# Altium PCB PCB1.PcbDoc
Units mil, origin at the board's own origin, x right, y up, seen from the top; angles counter-clockwise.
Board outline 2007.87 x 3234.45 mil, 2 copper layers (Top Layer, Bottom Layer); 74 components, 72 nets, 331 pads, 86 vias.
Unrouted connection lines stored in the file: 13.
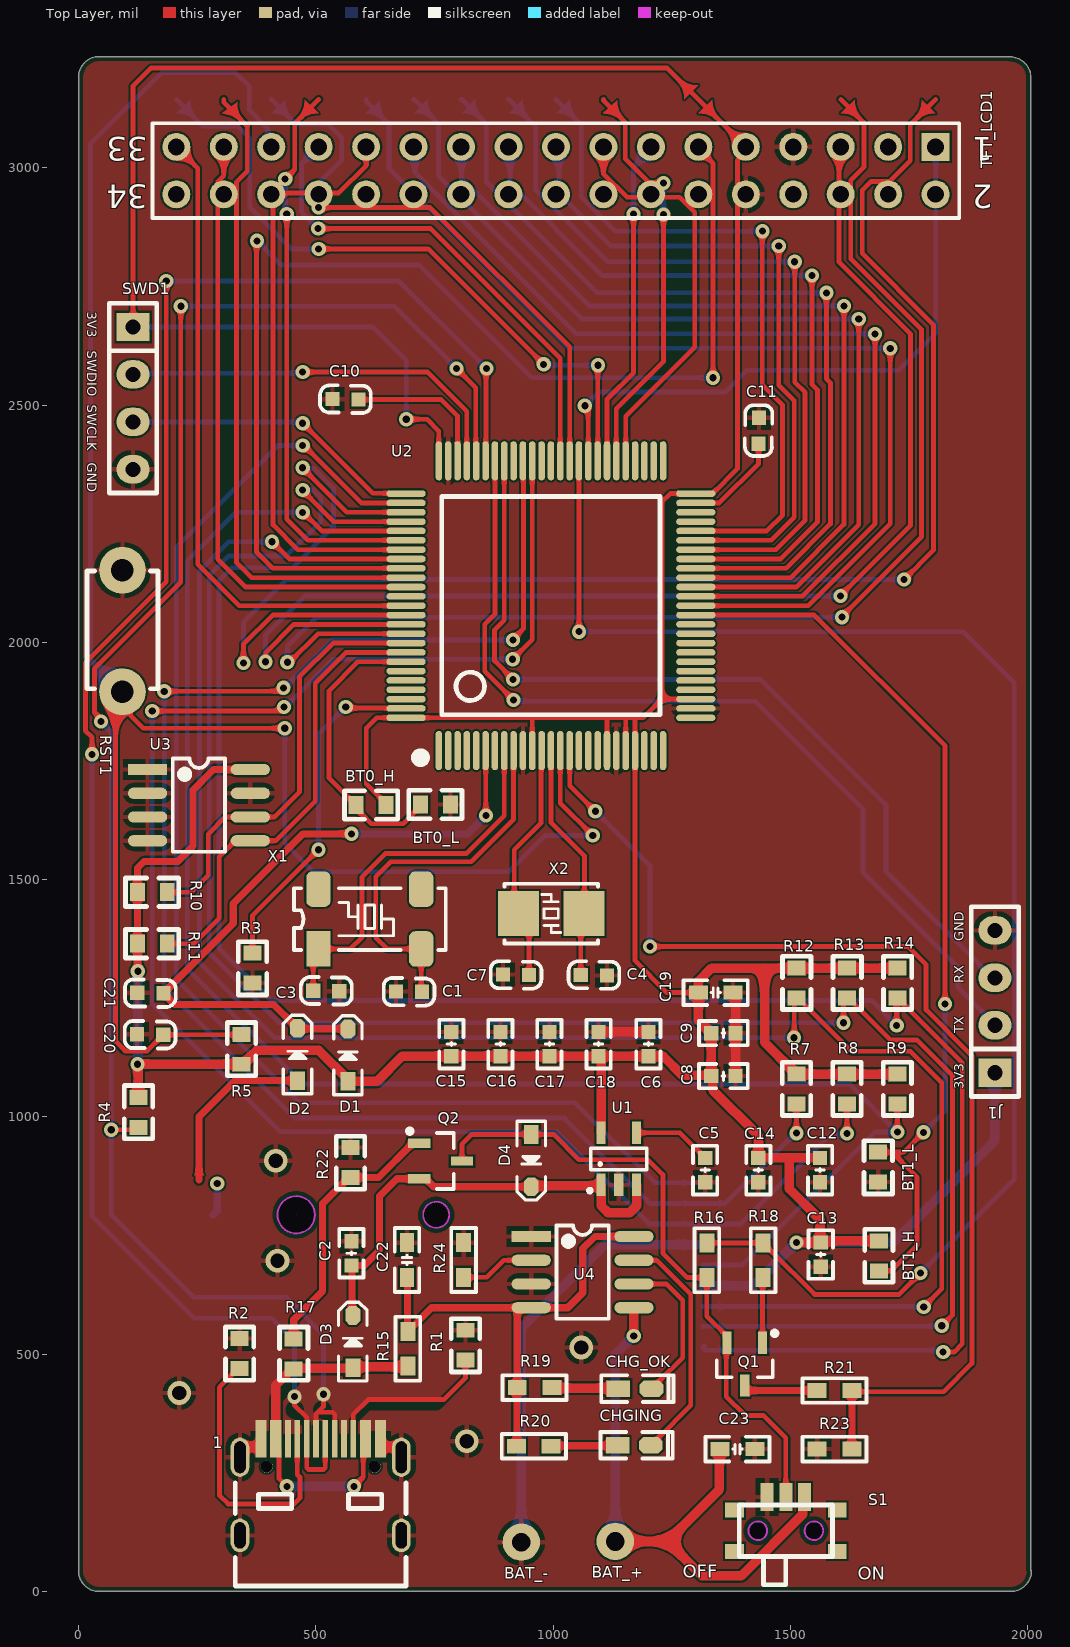
[diagram p0: Top Layer view]
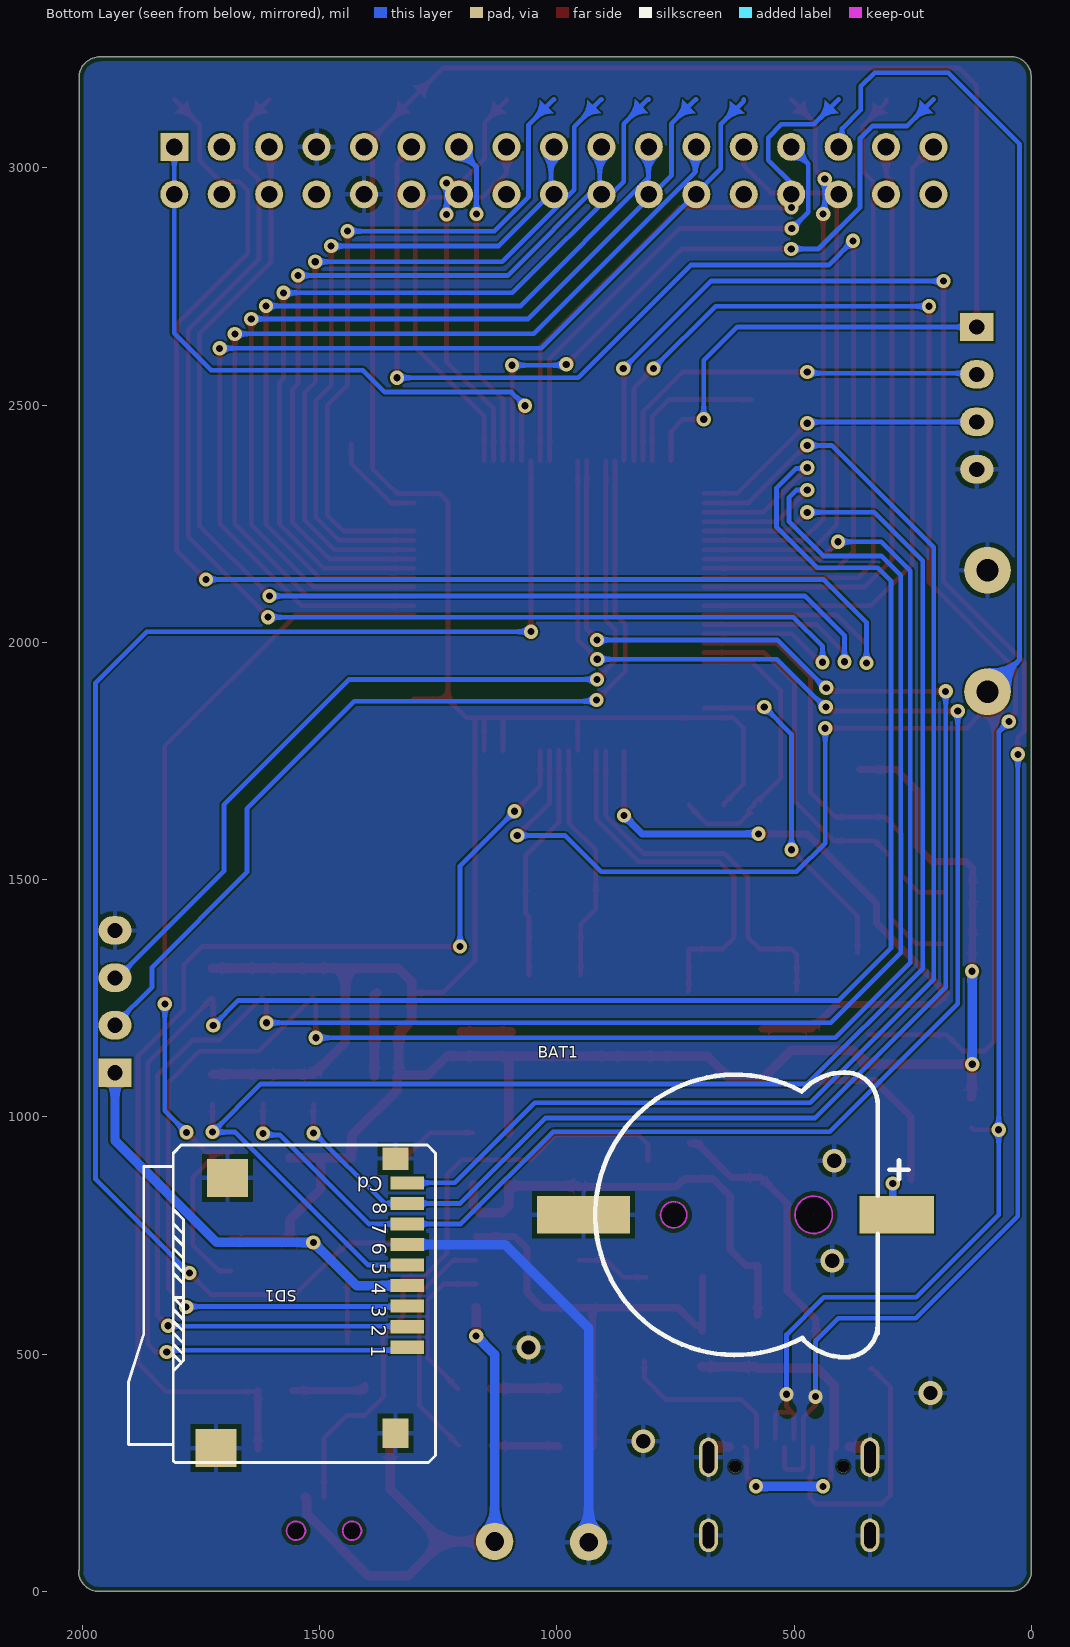
[diagram p1: Bottom Layer view, seen from below]
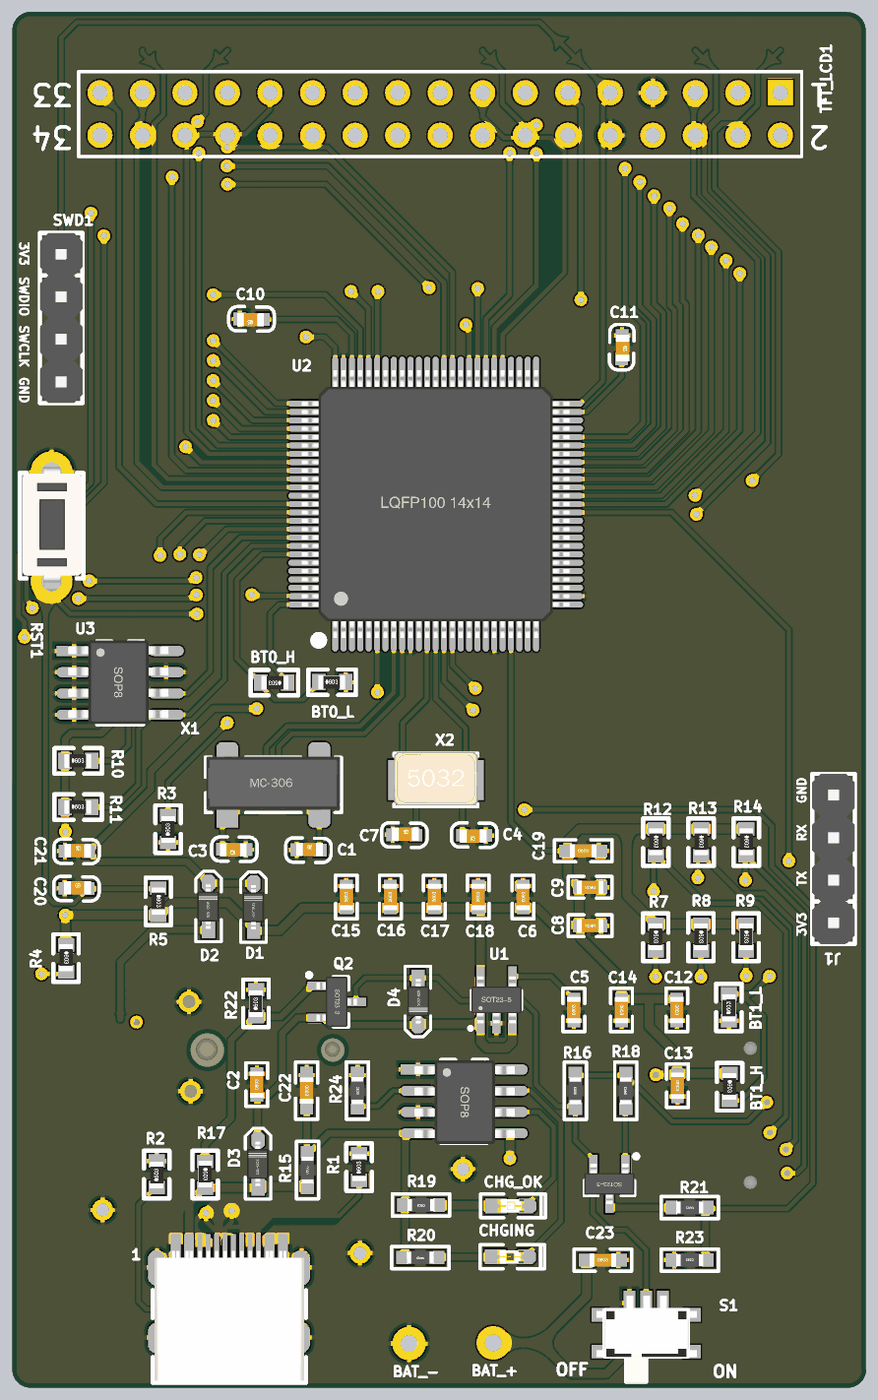
[diagram p2: 3D render of the assembled board from above, using the file's embedded part models]

## Layer stack, top to bottom
Top Solder: solder mask 0.4, Solder Resist, Dk 3.5
Top Layer: signal copper 1.4
Dielectric 1: dielectric 12.6, FR-4, Dk 4.8
Bottom Layer: signal copper 1.4
Bottom Solder: solder mask 0.4, Solder Resist, Dk 3.5

## Board outline
0.2,43.51 0.2,3190.94 cw(c43.71,3190.94) 43.5,3234.45 1962.4,3234.45 1963.19,3233.66 cw(c1963.19,3190.16) 2006.69,3190.36 2006.69,44.68 2007.87,43.5 cw(c1964.37,43.5) 1964.57,0 43.51,0 43.5,0 cw(c43.5,43.51)

## Design rules (kind name [scope] priority, off if disabled: settings)
BoardOutlineClearance [All] p1: gap=10 ignorepadtopadclearanceinfootprint=FALSE except(0: Arc-SplitContinuation Track-SplitContinuation SMDPad-SplitContinuation THPad-SplitContinuation Via-SplitContinuation Fill-SplitContinuation Poly-SplitContinuation Region-SplitContinuation Text-SplitContinuation)
Clearance [All] p1: gap=3.94 ignorepadtopadclearanceinfootprint=FALSE
MinimumSolderMaskSliver [All] p1: minsoldermaskwidth=5.91
PolygonConnect [All] p1: connectstyle=Relief reliefconductorwidth=10 reliefentries=4 polygonreliefangle="90 Angle" airgapwidth=10
RoutingCorners [All] p1: cornerstyle=45-Degree minsetback=59.06 maxsetback=59.06
RoutingVias [All] p1: holewidth=8 width=10 viastyle="Through Hole" minholewidth=5 minwidth=9 maxholewidth=10 maxwidth=50
ShortCircuit [All] p1: allowed=TRUE
SilkToSilkClearance [All] p1: silktosilkclearance=0.5
SilkToSolderMaskClearance [IsPad] p1: minsilkscreentomaskgap=1 clearancetoexposedcopper=TRUE
SolderMaskExpansion [All] p1: expansion=4 istentingtop=FALSE
Width [All] p1: maxlimit=78.74 minlimit=7.87 preferedwidth=19.68
25 further rules are at their usual default settings.

## Components (designator, comment, footprint, x,y, rotation, side; value= is the part's Value field where it differs from the comment)
1 "MC-311D" USB-C-12P 510.24,211.61 r0 top
BAT1 "CR1220" CR1220-A 283.75,793.75 r180 bottom
BAT_+ "过孔焊盘" 通孔焊盘 1131,105.5 r0 top
BAT_- "过孔焊盘" 通孔焊盘 933,104 r0 top
BT0_H "RES" 0603R 647.5,1657.5 r180 top (schematic designator BT2)
BT0_L "RES" 0603R 721,1658.5 r0 top (schematic designator BT1)
BT1_H "RES" 0603R 1686.5,738.5 r270 top (schematic designator BT3)
BT1_L "RES" 0603R 1685,862.82 r90 top (schematic designator BT4)
C1 "CAP" 0603C 668.79,1264.85 r0 top
C2 "104" "C 0603_L" 575,712.59 r90 top
C3 "CAP" 0603C 549.71,1264.65 r180 top
C4 "CAP" 0603C 1113.71,1297.65 r180 top
C5 "104" "C 0603_L" 1320.5,888.01 r90 top
C6 "104" "C 0603_L" 1201,1153.5 r270 top
C7 "CAP" 0603C 894.29,1300.36 r0 top
C8 "104" "C 0603_L" 1358.82,1086 r180 top
C9 "104" "C 0603_L" 1358.82,1176.5 r180 top
C10 "CAP" 0603C 590.21,2511.15 r180 top
C11 "CAP" 0603C 1434.35,2473.71 r270 top
C12 "104" "C 0603_L" 1562.5,888 r270 top
C13 "104" "C 0603_L" 1564,710 r270 top
C14 "104" "C 0603_L" 1432.5,888 r270 top
C15 "104" "C 0603_L" 785.59,1153.51 r90 top
C16 "104" "C 0603_L" 888.96,1153.51 r90 top
C17 "104" "C 0603_L" 992.34,1153.51 r90 top
C18 "104" "C 0603_L" 1095.71,1153.51 r90 top
C19 "104" "C 0603_M" 1342.5,1262 r0 top
C20 "CAP" 0603C 123.29,1174.35 r0 top
C21 "CAP" 0603C 123.79,1261.85 r0 top
C22 "104" "C 0603_M" 692.17,698.5 r270 top
C23 "104" "C 0603_M" 1388.5,300 r0 top
CHG_OK "红色" "LED 0603W" 1172.5,427.24 r0 top (schematic designator Charge_OK)
CHGING "红色" "LED 0603G" 1171,307.74 r0 top (schematic designator Charging)
D1 "DIODE" SOD-323 567.5,1130 r90 top
D2 "DIODE" SOD-323 461.5,1131.5 r90 top
D3 "B5919WS" SOD-323 578,526.62 r90 top
D4 "B5919WS" SOD-323 954,908 r270 top
J1 "Pin HDR1X4" "Pin HDR1X4/2.54mm-S" 1931,1093 r180 top
Q1 "SI2301" SOT23-3N 1404,479 r180 top
Q2 "AO3401" SOT23-3N 763,907 r270 top
R1 "RES" 0603R 815.5,487.51 r90 top
R2 "RES" 0603R 339.5,470.12 r90 top
R3 "RES" 0603R 366.5,1282.01 r90 top
R4 "RES" 0603R 126.5,1040.99 r270 top
R5 "RES" 0603R 343.5,1173.99 r270 top
R7 "RES" 0603R 1512.8,1089.99 r270 top
R8 "RES" 0603R 1619.15,1089.99 r270 top
R9 "RES" 0603R 1725.5,1089.99 r270 top
R10 "RES" 0603R 124.01,1473.5 r0 top
R11 "RES" 0603R 124.01,1365 r0 top
R12 "RES" 0603R 1513.3,1313.49 r270 top
R13 "RES" 0603R 1619.65,1313.49 r270 top
R14 "RES" 0603R 1726,1313.49 r270 top
R15 "1K" "R 0603_M" 694.17,511.62 r90 top
R16 "1K" "R 0603_M" 1324,698 r90 top
R17 "RES" 0603R 453.5,532.12 r270 top
R18 "1K" "R 0603_M" 1442.5,698 r90 top
R19 "1K" "R 0603_M" 961,429.5 r180 top
R20 "1K" "R 0603_M" 959.5,306 r180 top
R21 "1K" "R 0603_M" 1593,423.5 r180 top
R22 "RES" 0603R 573,872.5 r90 top
R23 "1K" "R 0603_M" 1593,300 r0 top
R24 "1K" "R 0603_M" 811.5,698.5 r270 top
RST1 "KEY" DIP-3X6X5 92.5,1896 r270 top
S1 "MSK-12C01-07" MK-12C02 1490.5,128 r0 top
SD1 "MicroSD" "Micro SD" 1718,912.24 r270 bottom
SWD1 "Pin HDR1X4" "Pin HDR1X4/2.54mm-S" 115,2664.5 r0 top
TFT_LCD1 "Header 17X2" HDR2X17 1806.1,3044.09 r180 top locked
U1 "RT9193" SOT23-5N 1138.5,911.76 r0 top
U2 "STM32F407V" "LQFP100 14x14_M" 995.5,2077 r0 top
U3 "AT24C02" SOP8 145.46,1732 r0 top
U4 "TP4056" SOP8 954,748 r0 top
X1 "XTAL-MC-4P" "OSC MC-306" 613.8,1416.9 r0 top
X2 "XTAL-2P" "OSC 5032-2P" 996,1428.5 r0 top

## Footprints (in the part's own frame and the unit in brackets; to place one, negate y for a bottom-side part, rotate by r counter-clockwise, add the part's x,y. Pads: shape width x height; smd on the part's side, far side on the other; paste and mask are expansions set on the pad)
0603C [mil]
  rect 30x30 smd: 1(0.21,-0.35) 2(55.21,-1.35)
  silkscreen extent -26,-30 81,28, body extent -1,-15 62,17, height 12
0603R [mm]
  rect 0.8x0.965 smd: 1(0,0) 2(1.6,0)
  silkscreen extent -0.64,-0.76 2.21,0.76, body extent -0.04,-0.41 1.56,0.41, height 0.45
"C 0603_L" [mil] "无极性贴片电容"
  rect 30x30 smd: 1(-25.59,0) 2(25.59,0)
  silkscreen extent -51,-26 51,26, body extent -31,-16 31,16, height 32
"C 0603_M" [mil] "无极性贴片电容"
  rect 40x30 smd: 1(-36.5,0) 2(36.5,0)
  silkscreen extent -68,-26 68,26, body extent -31,-16 31,16, height 32
CR1220-A [mm]
  rect 4x2 smd: 1(0,0)
  rect 5x2 smd: 2(-16.764,0)
  Keep-Out Layer board cut-out: -11.938,-0.7 -12.206,-0.647 -12.433,-0.495 -12.585,-0.268 -12.638,0 -12.638,0 -12.585,0.268 -12.433,0.495 -12.206,0.647 -11.938,0.7 -11.938,0.7 -11.67,0.647 -11.443,0.495 -11.291,0.268 -11.238,0 -11.238,0 -11.291,-0.268 -11.443,-0.495 -11.67,-0.647 -11.938,-0.7
  Keep-Out Layer board cut-out: -4.445,-1 -4.828,-0.924 -5.152,-0.707 -5.369,-0.383 -5.445,0 -5.445,0 -5.369,0.383 -5.152,0.707 -4.828,0.924 -4.445,1 -4.445,1 -4.062,0.924 -3.738,0.707 -3.521,0.383 -3.445,0 -3.445,0 -3.521,-0.383 -3.738,-0.707 -4.062,-0.924 -4.445,-1
  Keep-Out Layer circle w0.1: c-11.938,0 r0.7
  Keep-Out Layer circle w0.1: c-4.445,0 r1
  Keep-Out Layer region: -4.445,0
  silkscreen extent -16.13,-7.62 0.64,7.62, body extent -17.73,-7.41 2.03,7.49, height 4.05
DIP-3X6X5 [mm]
  round 2.5 hole 1.2: 1(0,0) 3(-6.5,0)
  silkscreen extent -6.46,-1.9 -0.16,1.9, body extent -7.29,-1.72 0.54,1.78, height 5.01
HDR2X17 [mm] "Connector; Header; 17x2 Position"
  rect 1.5x1.5 hole 0.9: 1(0,0)
  round 1.5 hole 0.9: 2(0,2.54) 3(2.54,0) 4(2.54,2.54) 5(5.08,0) 6(5.08,2.54) 7(7.62,0) 8(7.62,2.54) 9(10.16,0) 10(10.16,2.54) 11(12.7,0) 12(12.7,2.54) 13(15.24,0) 14(15.24,2.54) 15(17.78,0) 16(17.78,2.54) 17(20.32,0) 18(20.32,2.54) 19(22.86,0) 20(22.86,2.54) 21(25.4,0) 22(25.4,2.54) 23(27.94,0) 24(27.94,2.54) 25(30.48,0) 26(30.48,2.54) 27(33.02,0) 28(33.02,2.54) 29(35.56,0) 30(35.56,2.54) 31(38.1,0) 32(38.1,2.54) 33(40.64,0) 34(40.64,2.54)
  silkscreen extent -1.27,-1.27 41.91,3.81
"LED 0603G" [mil] "绿色0603LED"
  rect 50x35 smd: 1(-35,0.26)
  oct 50x35 smd: 2(35,0.26)
  silkscreen extent -71,-28 81,28, body extent -31,-16 32,16, height 24
"LED 0603W" [mil] "白色0603LED"
  rect 50x35 smd: 1(-35,0.26)
  oct 50x35 smd: 2(35,0.26)
  silkscreen extent -71,-28 81,28, body extent -31,-16 32,16, height 24
"LQFP100 14x14_M" [mm] "100脚，体宽14x14mm，脚距0.5mm"
  oval 0.35x2.1 smd: 1(-6,-7.747) 2(-5.5,-7.747) 3(-5,-7.747) 4(-4.5,-7.747) 5(-4,-7.747) 6(-3.5,-7.747) 7(-3,-7.747) 8(-2.5,-7.747) 9(-2,-7.747) 10(-1.5,-7.747) 11(-1,-7.747) 12(-0.5,-7.747) 13(0,-7.747) 14(0.5,-7.747) 15(1,-7.747) 16(1.5,-7.747) 17(2,-7.747) 18(2.5,-7.747) 19(3,-7.747) 20(3.5,-7.747) 21(4,-7.747) 22(4.5,-7.747) 23(5,-7.747) 24(5.5,-7.747) 25(6,-7.747) 51(6,7.758) 52(5.5,7.758) 53(5,7.758) 54(4.5,7.758) 55(4,7.758) 56(3.5,7.758) 57(3,7.758) 58(2.5,7.758) 59(2,7.758) 60(1.5,7.758) 61(1,7.758) 62(0.5,7.758) 63(0,7.758) 64(-0.5,7.758) 65(-1,7.758) 66(-1.5,7.758) 67(-2,7.758) 68(-2.5,7.758) 69(-3,7.758) 70(-3.5,7.758) 71(-4,7.758) 72(-4.5,7.758) 73(-5,7.758) 74(-5.5,7.758) 75(-6,7.758)
  oval 2.1x0.35 smd: 26(7.752,-5.994) 27(7.752,-5.494) 28(7.752,-4.994) 29(7.752,-4.494) 30(7.752,-3.994) 31(7.752,-3.494) 32(7.752,-2.994) 33(7.752,-2.494) 34(7.752,-1.994) 35(7.752,-1.494) 36(7.752,-0.994) 37(7.752,-0.494) 38(7.752,0.006) 39(7.752,0.506) 40(7.752,1.006) 41(7.752,1.506) 42(7.752,2.006) 43(7.752,2.506) 44(7.752,3.006) 45(7.752,3.506) 46(7.752,4.006) 47(7.752,4.506) 48(7.752,5.006) 49(7.752,5.506) 50(7.752,6.006) 76(-7.752,6.006) 77(-7.752,5.506) 78(-7.752,5.006) 79(-7.752,4.506) 80(-7.752,4.006) 81(-7.752,3.506) 82(-7.752,3.006) 83(-7.752,2.506) 84(-7.752,2.006) 85(-7.752,1.506) 86(-7.752,1.006) 87(-7.752,0.506) 88(-7.752,0.006) 89(-7.752,-0.494) 90(-7.752,-0.994) 91(-7.752,-1.494) 92(-7.752,-1.994) 93(-7.752,-2.494) 94(-7.752,-2.994) 95(-7.752,-3.494) 96(-7.752,-3.994) 97(-7.752,-4.494) 98(-7.752,-4.994) 99(-7.752,-5.494) 100(-7.752,-5.994)
  silkscreen extent -7.23,-8.38 5.84,5.85, body extent -8,-8 8,8.01, height 1.45
"Micro SD" [mm]
  rect 1.2x1.4 smd: 0(0,9.6)
  rect 2.032x2.2 smd: 0(1.029,0.61) 0(15.5,0)
  rect 1.6x1.4 smd: 0(14.7,9.6)
  rect 0.7x1.8 smd: 1(10.1,10.227) 2(9,10.227) 3(7.9,10.227) 4(6.8,10.227) 5(5.7,10.227) 6(4.6,10.227) 7(3.5,10.227) 8(2.4,10.227) 9(1.3,10.227)
  silkscreen extent -0.72,-4.68 16.27,11.75, body extent -0.27,-4.63 16,10.57, height 1.8
MK-12C02 [mm] "七脚小拨动开关"
  rect 1x0.8 smd: 0(-2.75,-1.1) 0(-2.75,1.1) 0(2.75,-1.1) 0(2.75,1.1)
  rect 0.7x1.5 smd: 1(1,1.8) 2(0,1.8) 3(-1,1.8)
  Keep-Out Layer board cut-out: -1.5,-0.5 -1.599,-0.5 -1.783,-0.424 -1.924,-0.283 -2,-0.099 -2,0 -2,0.099 -1.924,0.283 -1.783,0.424 -1.599,0.5 -1.5,0.5 -1.401,0.5 -1.217,0.424 -1.076,0.283 -1,0.099 -1,0 -1,-0.099 -1.076,-0.283 -1.217,-0.424 -1.401,-0.5 -1.5,-0.5
  Keep-Out Layer board cut-out: 1,0 1,-0.099 1.076,-0.283 1.217,-0.424 1.401,-0.5 1.5,-0.5 1.599,-0.5 1.783,-0.424 1.924,-0.283 2,-0.099 2,0 2,0.099 1.924,0.283 1.783,0.424 1.599,0.5 1.5,0.5 1.401,0.5 1.217,0.424 1.076,0.283 1,0.099 1,0
  Keep-Out Layer circle w0.1: c-1.5,0 r0.5
  Keep-Out Layer circle w0.1: c1.5,0 r0.5
  silkscreen extent -2.5,-2.9 2.5,1.38, body extent -2.97,-2.96 3.03,2.24, height 1.4
"OSC 5032-2P" [mm]
  rect 2.2x2.4 smd: 1(-1.75,0) 2(1.75,0)
  silkscreen extent -2.5,-1.6 2.5,1.6, body extent -2.5,-1.52 2.5,1.68, height 0.86
"OSC MC-306" [mm]
  rect 1.3x1.9 smd: 1(-2.75,-1.6)
  rrect50% 1.3x1.9 smd: 2(2.75,-1.6) 3(2.75,1.6) 4(-2.75,1.6)
  silkscreen extent -4.06,-1.65 4.06,1.65, body extent -4,-1.52 4,1.74, height 2.56
"Pin HDR1X4/2.54mm-S" [mil]
  rect 70x60 hole 32: 1(0,0)
  oval 70x60 hole 32: 2(0,-100) 3(0,-200) 4(0,-300)
  silkscreen extent -50,-350 50,50, body extent -50,-350 50,50, height 336
"R 0603_M" [mil] "1/10W贴片电阻"
  rect 40x31.5 smd: 1(-36.5,0) 2(36.5,0)
  silkscreen extent -68,-26 68,26, body extent -31,-16 32,16, height 16
SOD-323 [mm] "1.8x1.3X0.9mm（长宽高，不包括引脚）"
  rect 1x0.8 smd: 1(-1.4,0)
  oct 1x0.8 smd: 2(1.4,0)
  silkscreen extent -2.11,-0.76 2.11,0.76, body extent -1.34,-0.63 1.31,0.67, height 1
SOP8 [mm]
  rect 2.1x0.6 smd: 1(0,0)
  oval 2.1x0.6 smd: 2(0,-1.27) 3(0,-2.54) 4(0,-3.81) 5(5.5,-3.81) 6(5.5,-2.54) 7(5.5,-1.27) 8(5.5,0)
  silkscreen extent 1.35,-4.41 4.15,0.6, body extent -0.36,-4.37 5.64,0.63, height 1.9
SOT23-3N [mm] "3x1.3x1mm(长宽高)"
  rect 0.5x1.2 smd: 1(-0.95,-1.143) 2(0.95,-1.143) 3(0,1.143)
  silkscreen extent -1.73,-1.78 1.5,0.7, body extent -1.5,-1.2 1.5,1.2, height 1.05
SOT23-5N [mm] "3x1.6x1.1mm(长宽高)"
  rect 0.5x1.2 smd: 1(-0.95,-1.4) 2(0,-1.4) 3(0.95,-1.4) 4(0.95,1.4) 5(-0.95,1.4)
  silkscreen extent -1.63,-1.78 1.5,0.56, body extent -1.5,-1.4 1.5,1.4, height 1.15
USB-C-12P [mm]
  oval 1x2.1 hole 0.6 slot 1.7 at 90 deg: 1(-4.32,1.807) 4(4.32,1.807)
  oval 1x1.8 hole 0.6 slot 1.4 at 90 deg: 2(-4.32,-2.373) 3(4.32,-2.373)
  rect 0.6x2 smd: A1-B12(-3.2,2.794) A4-B9(-2.4,2.794) B1-A12(3.2,2.794) B4-A9(2.4,2.794)
  rect 0.3x2 smd: A5(-1.25,2.794) A6(-0.25,2.794) A7(0.25,2.794) A8(1.25,2.794) B5(1.75,2.794) B6(0.75,2.794) B7(-0.75,2.794) B8(-1.75,2.794)
  round 0.65 hole 0.65 unplated: ""(-2.89,1.307) ""(2.89,1.307)
  silkscreen extent -4.57,-5.08 4.57,0.44, body extent -4.47,-4.95 4.47,2.8, height 3.31
通孔焊盘 [mm]
  round 2 hole 1: Hole(0,0)

## Part data
1: library part USB-C-12P, BOM_JLCPCB Part Class="Extended Part", BOM_Manufacturer=SOFNG, BOM_Manufacturer Part=MC-311D, BOM_Supplier=LCSC, BOM_Supplier Part=C136423, Contributor=LCSC, spicePre=U, spiceSymbolName=MC-311D
C1 C3 C4 C7 C10 C11 C20 C21: "无极性电容"
C2 C5 C6 C8 C9 C12 C13 C14 C15 C16 C17 C18 C19 C22 C23: library part C, "无极性贴片电容", BOM名称=无极性贴片电容, 版权归属=源创客, 学习资源=www.ooocke.com
CHG_OK CHGING: library part LED-SMD, "贴片LED", BOM名称=贴片LED, 版权归属=源创客, 学习资源=www.ooocke.com
D1 D2: "普通二极管"
D3 D4: library part 1N5819, "肖特基二极管", BOM名称=肖特基二极管, 版权归属=源创客, 属性=40V/2A, 学习资源=www.ooocke.com
Q1: "P沟道 20V/2.8A", BOM名称=场效应管, 版权归属=源创客, 描述="P沟道 20V/2.8A", 学习资源=www.ooocke.com
Q2: "P沟道 30V/4.2A", BOM名称=场效应管, 版权归属=源创客, 描述="P沟道 30V/4.2A", 学习资源=www.ooocke.com
R15 R16 R18 R19 R20 R21 R23 R24: library part R, "贴片电阻", BOM名称=贴片电阻, 版权归属=源创客, 学习资源=www.ooocke.com
TFT_LCD1: "Header, 17-Pin, Dual row", LatestRevisionDate=17-Jul-2002, LatestRevisionNote="Re-released for DXP Platform.", Publisher="Altium Limited"
U1: "低压差LDO"
U2: "STM32单片机100引脚"
X1: "MC系列4脚晶振"
X2: "2脚无源脚晶振"

## Via types
v1: diameter 30, hole 15, Top Layer to Bottom Layer, 81 vias
v2: diameter 50, hole 30, Top Layer to Bottom Layer, 5 vias

## Nets (pads, with @x,y where several pads share a name; then routed paths per layer and width w, separated by ;. In a path a pad name is that pad's centre, name@x,y a point inside that pad or via, vN(x,y) a via of type N, cw(c..) or ccw(c..) an arc to the next point about the centre after c; other vN are vias at no path point)
3V3: BT0_H.1 BT1_H.1 C6.2 C8.2 C9.2 C12.1 C13.1 C14.1 C15.1 C16.1 C17.1 C18.1 C19.1 D1.1 J1.1 R4.1 R5.2 R7.1 R8.1 R9.1 R10.1 R11.1 R12.1 R13.1 R14.1 SD1.4 SWD1.1 TFT_LCD1.9 TFT_LCD1.12 U1.5 U2.11 U2.19 U2.21 U2.22 U2.28 U2.50 U2.75 U2.100 U3.8 | length 10862
  Top Layer w10: SWD1.1 115,3172.67 152.33,3210 1240.2,3210 1306.1,3144.09 TFT_LCD1.9 1406.1,3033.09 1388.5,3015.48 1388.5,2366 1335.94,2313.44 1246.94,2313.44 1229.37,2295.87 1229.37,1880.37 ; BT0_H.1 647.5,1660.75 606.5,1701.75 606.5,1819.5 628,1841 U2.100 956,1841 ; v1(690.5,2470) 734.5,2470 759.28,2445.22 U2.75 ; U2.11 956.13,1840.87 956,1841 ; U2.19 1113.61,1840.61 1114,1841 ; U2.21 1152.98,1840.02 1152,1841 ; U2.28 1229.37,1880.37 ; C19.1 1240,1262 1172.67,1329.33 U2.22 1172.67,1840.83 1172.5,1841 ; 956,1841 1114,1841 ; 1114,1841 1152,1841 ; 1152,1841 1172.5,1841 ; 1172.5,1841 1190,1841 1229.37,1880.37
  Top Layer w15: v1(125,1307) 124.5,1307.5 124.5,1364.5 R11.1 R10.1 124.01,1524.51 138,1538.5 209,1538.5 241,1570.5 241,1688.5 284.5,1732 U3.8
  Top Layer w20: R4.1 125.5,1041.99 125.5,1110 v1(124.5,1111) R5.2 346.75,1111 375.75,1140 506.32,1140 567.5,1078.82 D1.1 628.95,1074.88 681.98,1127.91 C15.1 C16.1 C17.1 C18.1 ; U1.5 1101.1,1122.53 C18.1 ; R7.1@1503.8,1098.99 1445.5,1157.29 1445.5,1313.49 ; R7.1 R8.1 R9.1 ; v1(1513.09,735.59) C13.1 ; C13.1@1562.5,739 1686,739 BT1_H.1 ; C13.1@1562.5,741 1562.5,783.6 1497.5,848.6 1497.5,913.59 ; C12.1 1497.5,913.59 ; R14.1 R13.1 R12.1 1445.5,1313.49 ; J1.1@1927.99,1089.99 J1.1 ; C18.1 C6.2 1232.09,1127.91 1272,1088 C8.2@1331.23,1088 ; C8.2@1331.23,1088 1333.23,1090 C9.2 1306,1203.73 C19.1 1306,1285.5 1333.99,1313.49 1445.5,1313.49 ; C8.2@1331.23,1088 C8.2 1335.93,1083.3 1335.93,1057.07 1432.5,960.5 C14.1 1497.5,913.59
  Bottom Layer w10: SWD1.1@121.5,2658 SWD1.1 620,2664.5 690.5,2594 v1(690.5,2470)
  Bottom Layer w20: v1(124.5,1111) 125,1111.5 v1(125,1307) ; SD1.4 1422.02,644.52 v1(1513.09,735.59) 1716.59,735.59 1931,950 J1.1
BAT_ADC: R21.1 R23.2 U2.15 | length 2363.5
  Top Layer w10: U2.15 1034.87,1698.13 v1(1089,1644) ; v1(1204,1359) 1748,1359 1786,1321 1786,1225.5 1882.5,1129 1882.5,480.5 1823,421 1632,421 R21.1
  Top Layer w15: R23.2 R21.1
  Bottom Layer w10: v1(1089,1644) 1204,1529 v1(1204,1359)
BAT_ADC_EN: R16.2 R18.2 U2.60 | length 3164
  Top Layer w10: v1@1054.5,2022.5 v1(1054.56,2022.56) U2.60 ; R16.2 R18.2 1442.5,730.25 1453.25,719.5 1457.5,719.5 1551,626 1729,626 v1(1774,671)
  Bottom Layer w10: v1(1054.56,2022.56) 1864.44,2022.56 1972,1915 1972,869 v1(1774,671)
BAT_Check: D4.1 Q1.2 Q2.3 R16.1 S1.2 | length 1337.4
  Top Layer w10: Q2.3 808,942 829.12,963.12 D4.1 1000.88,963.12 1054,910 1200,910 1231.5,878.5 1231.5,712.5 1282.5,661.5 R16.1 1324,580.38 1366.6,537.78 Q1.2 1365,522.4 1365,410.5 1404.5,371 1443,371 1490.5,323.5 S1.2
BOOT0: BT0_H.2 BT0_L.1 U2.94 | length 629.2
  Top Layer w10: U2.94 588.86,1959.11 528,1898.25 528,1714.01 570.51,1671.5 573.76,1671.5 584.51,1660.75 BT0_H.2 595.26,1646.75 595.26,1639.66 616.91,1618 683.75,1618 721,1655.25 BT0_L.1
BOOT1: BT1_H.2 BT1_L.2 U2.37 | length 1906.9
  Top Layer w10: U2.37 1550.46,2057.54 1826,1782 v1(1826,1238) v1@1826,1237.5 ; BT1_L.2 1714.03,925.81 ; BT1_H.2 1712.66,675.51 1767,729.84 1767,872.84 1714.03,925.81 ; v1(1780.5,967.5) 1738.81,925.81 1714.03,925.81
  Bottom Layer w10: v1(1780.5,967.5) 1826,1013 v1(1826,1238)
DM: 1.A7 1.B7 U2.70 | length 3892.9
  Top Layer w10: v1(28.5,1764) 28.5,1800 14.5,1814 14.5,1957 184.96,2127.46 v1(184.96,2761.22) ; v1(455,410.5) 455,392.37 480.71,366.66 480.71,261.08 484.79,257 515.99,257 520.08,261.08 1.A7@520.08,305.02 ; U2.70 858.43,2383.16 858.43,2575.73 v1(859.93,2577.23)
  Bottom Layer w10: v1(28.5,1764) 28.5,791 244,575.5 407.04,575.5 455,527.54 v1(455,410.5) ; v1(184.96,2761.22) 675.15,2761.22 859.13,2577.23 v1(859.93,2577.23)
DP: 1.A6 1.B6 R4.2 U2.71 | length 3778.3
  Top Layer w10: v1(47.5,1833) 47.5,1838.41 33.5,1852.41 33.5,1944.5 215.56,2126.56 v1(215.56,2708.17) ; v1(69,973) 121.5,973 R4.2 ; 1.A6 500.4,373.64 504.48,377.72 ; v1(516,415.5) 516,389.25 504.48,377.72 ; 1.B6 539.77,373.64 535.68,377.72 504.48,377.72 ; v1(796.48,2577.23) 837.3,2536.42 837.3,2383.16 U2.71
  Bottom Layer w10: v1(47.5,1833) 69,1811.5 v1(69,973) 69,793.5 242.5,620 437.5,620 516,541.5 v1(516,415.5) ; v1(215.56,2708.17) 665.55,2708.17 v1(796.48,2577.23)
GND: 1.1 1.2 1.3 1.4 1.A1-B12 1.B1-A12 BAT1.2 BAT_-.Hole BT0_L.2 BT1_L.1 C1.1 C2.2 C3.1 C4.1 C5.1 C6.1 C7.1 C8.1 C9.1 C10.2 C11.1 C12.2 C13.2 C14.2 C15.2 C16.2 C17.2 C18.2 C19.2 C20.1 C21.1 C22.1 C23.2 J1.4 R1.2 R2.2 R3.1 R22.2 R23.1 R24.1 RST1.3 S1.3 SD1.0 SD1.6 SWD1.4 TFT_LCD1.7 TFT_LCD1.10 U1.2 U2.10 U2.20 U2.27 U2.74 U3.1 U3.2 U3.3 U3.4 U3.7 U4.1 U4.3 | length 1334.6
  Top Layer w20: 1.1 340.16,296.07 349.1,305.02 1.A1-B12@384.25,305.02 ; 1.B1-A12@636.22,305.02 671.36,305.02 680.31,296.07 1.4 ; BAT_-.Hole@918.79,118.21 cw(c918.79,104) BAT_-.Hole ; C18.2 C6.1 ; C19.2 1379.41,1262 1384.41,1257 C9.1 C8.1
  Bottom Layer w20: BAT_-.Hole 933,555 1109.13,731.13 SD1.6
  other v2: 818,316.5 212.5,418 1059.5,514 419.5,697 415.5,907.5
IIC_SCL: R10.2 U2.92 U3.6 | length 913.5
  Top Layer w10: R10.2 237.5,1473.5 273.5,1509.5 273.5,1596 309.5,1632 U3.6 413,1632 465.5,1684.5 465.5,1927 536.98,1998.48 U2.92
IIC_SDA: R11.2 U2.93 U3.5 | length 979.2
  Top Layer w10: R11.2 243,1365 296.5,1418.5 296.5,1548 330.5,1582 U3.5 416,1582 499,1665 499,1914 563.8,1978.8 U2.93
LCD_CS: TFT_LCD1.33 U2.88 | length 1373.6
  Top Layer w10: TFT_LCD1.33 251,2999.2 251,2164.5 338.28,2077.22 U2.88
LCD_D0: TFT_LCD1.30 U2.61 | length 1240.7
  Top Layer w10: v1(505.49,2916.1) 741.4,2916.1 1034.87,2622.63 U2.61
  Bottom Layer w10: 406.1,3144.09 458.74,3091.46 526.71,3091.46 554.5,3063.67 554.5,3016 505.49,2966.99 v1(505.49,2916.1)
LCD_D1: TFT_LCD1.27 U2.62 | length 1041.1
  Top Layer w10: v1(504.93,2871.8) 741.7,2871.8 1015.18,2598.31 U2.62
  Bottom Layer w10: v1(504.93,2871.8) 470,2906.73 470,3007.99 TFT_LCD1.27
LCD_D2: TFT_LCD1.28 U2.81 | length 1185.1
  Top Layer w10: v1(435.42,2976.16) 455.45,2996.2 455.45,3093.44 506.1,3144.09 ; v1(438.76,2902.36) 438.76,2259.74 483.48,2215.02 U2.81
  Bottom Layer w10: v1(435.42,2976.16) 435.42,2905.71 v1(438.76,2902.36)
LCD_D3: TFT_LCD1.25 U2.82 | length 1243.3
  Top Layer w10: TFT_LCD1.25 606.1,3004.6 548.43,2946.93 439.87,2946.93 410,2917.06 410,2247.5 462.17,2195.33 U2.82
LCD_D4: TFT_LCD1.26 U2.38 | length 2229.8
  Top Layer w10: U2.38 1537.72,2077.22 1710.5,2250 v1(1710.5,2619.5)
  Bottom Layer w10: 606.1,3144.09 606.1,3140.4 654.5,3092 654.5,2998 1033,2619.5 v1(1710.5,2619.5)
LCD_D5: TFT_LCD1.23 U2.39 | length 2006.8
  Top Layer w10: U2.39 1525.41,2096.91 1678.5,2250 v1(1678.5,2650)
  Bottom Layer w10: TFT_LCD1.23 708.5,3041.7 708.5,2990.5 1049,2650 v1(1678.5,2650)
LCD_D6: TFT_LCD1.24 U2.40 | length 2025.2
  Top Layer w10: U2.40 1512.59,2116.59 1644,2248 v1(1644,2681.5)
  Bottom Layer w10: 706.1,3144.09 707.41,3144.09 758.5,3093 758.5,2983 1060,2681.5 v1(1644,2681.5)
LCD_D7: TFT_LCD1.21 U2.41 | length 1802.9
  Top Layer w10: U2.41 1500.78,2136.28 1613,2248.5 v1(1613,2709)
  Bottom Layer w10: TFT_LCD1.21 807,3043.2 807,2978.5 1076.5,2709 v1(1613,2709)
LCD_D8: TFT_LCD1.22 U2.42 | length 1823.2
  Top Layer w10: U2.42 1490.96,2155.96 1584.5,2249.5 1584.5,2547 1576,2555.5 v1(1576,2736.5)
  Bottom Layer w10: 806.1,3144.09 807.91,3144.09 859,3093 859,2971 1093.5,2736.5 v1(1576,2736.5)
LCD_D9: TFT_LCD1.19 U2.43 | length 1608
  Top Layer w10: U2.43 1479.65,2175.65 1557,2253 1557,2532.5 1545.5,2544 v1(1545.5,2773)
  Bottom Layer w10: TFT_LCD1.19 909.5,3040.7 909.5,2967 1103.5,2773 v1(1545.5,2773)
LCD_D10: TFT_LCD1.20 U2.44 | length 1632.7
  Top Layer w10: U2.44 1469.51,2195.33 1531,2256.82 1531,2526.5 1509,2548.5 v1(1509,2802)
  Bottom Layer w10: 906.1,3144.09 963.5,3086.7 963.5,2953.5 1115,2802 v1(1509,2802)
LCD_D11: TFT_LCD1.17 U2.45 | length 1422.2
  Top Layer w10: U2.45 1459.25,2215.02 1508,2263.77 1508,2509.5 1475.5,2542 v1(1475.5,2835)
  Bottom Layer w10: TFT_LCD1.17 1012.5,3037.7 1012.5,2945.5 1123,2835 v1(1475.5,2835)
LCD_D12: TFT_LCD1.18 U2.46 | length 1451.7
  Top Layer w10: U2.46 1450.2,2234.7 1483.5,2268 1483.5,2500 1441,2542.5 v1(1441,2866.5)
  Bottom Layer w10: 1006.1,3144.09 1059.5,3090.7 1059.5,2938.5 1131.5,2866.5 v1(1441,2866.5)
LCD_D13: TFT_LCD1.15 U2.55 | length 866.4
  Top Layer w10: TFT_LCD1.15 1106.1,2987.9 1156,2938 1266.5,2938 1298.5,2906 1298.5,2622 1152.98,2476.48 U2.55
LCD_D14: TFT_LCD1.16 U2.56 | length 872.7
  Top Layer w10: 1106.1,3144.09 1106.1,3141.9 1152,3096 1152,3018.5 1202.5,2968 v1(1232.5,2968) ; U2.56 1133.3,2491.8 1232.5,2591 v1(1232.5,2901.5)
  Bottom Layer w10: v1(1232.5,2901.5) v1(1232.5,2968)
LCD_D15: TFT_LCD1.13 U2.57 | length 700
  Top Layer w10: U2.57 1113.61,2512.61 1169.5,2568.5 v1(1169.5,2902.5)
  Bottom Layer w10: v1(1169.5,2902.5) 1169.5,3001.65 1206.1,3038.25 TFT_LCD1.13
LCD_LED: TFT_LCD1.11 U2.84 | length 2565.4
  Top Layer w10: v1(376,2846) 375,2845 375,2190.5 409.54,2155.96 U2.84 ; TFT_LCD1.11 1306.1,3040.49 1337,3009.6 v1(1337,2557.5)
  Bottom Layer w10: v1(376,2846) 427,2795 717.5,2795 955,2557.5 v1(1337,2557.5)
LCD_RD: TFT_LCD1.32 U2.85 | length 1376.6
  Top Layer w10: 306.1,3144.09 306.1,3137.61 355.86,3087.86 355.5,3087.5 355.5,2993 333,2970.5 333,2168 364.72,2136.28 U2.85
LCD_RS: TFT_LCD1.34 U2.58 | length 1407.7
  Top Layer w10: v1(506.05,2828.91) 737.09,2828.91 v1(980.19,2585.81) ; U2.58 1093.93,2583.43 v1(1094.5,2584)
  Bottom Layer w10: 206.1,3144.09 262.2,3088 335.5,3088 361,3062.5 361,2916.5 448.6,2828.91 v1(506.05,2828.91) ; v1(980.19,2585.81) 982,2584 v1(1094.5,2584)
LCD_WR: TFT_LCD1.31 U2.86 | length 1295.3
  Top Layer w10: TFT_LCD1.31 306.1,2983.6 293.5,2971 293.5,2175 351.91,2116.59 U2.86
NetBAT1_1: BAT1.1 D2.1 | length 442
  Top Layer w15: 254,866.68 254,1000.5 329.88,1076.38 D2.1
  Bottom Layer w15: BAT1.1 292.25,802.25 v1(292.25,859.43)
NetC5_2: C5.2 U1.4 | length 166.7
  Top Layer w10: U1.4 1267.22,966.88 C5.2
NetC10_1: C10.1 U2.73 | length 317.4
  Top Layer w10: C10.1 764,2511.5 798.65,2476.85 U2.73
NetC11_2: C11.2 U2.49 | length 208.6
  Top Layer w10: U2.49 1350.26,2293.76 1433,2376.5 C11.2
NetC22_2: C22.2 R15.2 R19.2 R20.2 U4.4 U4.8 | length 1025.1
  Top Layer w15: C22.2 693.17,661 693.17,549.12 R15.2 694.17,552.37 702.41,560.62 706.67,560.62 744.05,598 U4.4@928.48,598 ; R20.2 923.75,306.75 923.75,428.75 R19.2 924.5,594.02 U4.4@928.48,598 ; U4.8 1088,748 1062.5,722.5 1062.5,629.5 1031,598 U4.4 U4.4@928.48,598
NetCHG_OK_1: CHG_OK.1 R19.1 | length 140.8
  Top Layer w20: R19.1 998.5,428.5 1136.5,428.5 CHG_OK.1
NetCHG_OK_2: CHG_OK.2 U4.6 | length 330.9
  Top Layer w10: U4.6 1238.5,648 1273,613.5 1273,493 1221.68,441.68 1221.68,440 1209.18,427.5 CHG_OK.2
NetCHGING_1: CHGING.1 R20.1 | length 140.8
  Top Layer w15: R20.1 997,307 1135,307 CHGING.1
NetCHGING_2: CHGING.2 U4.7 | length 503.1
  Top Layer w10: U4.7 1218,698 1290,626 1290,392 1220.18,322.18 1220.18,320.5 1207.68,308 CHGING.2
NetQ1_1: Q1.1 R18.1 | length 138
  Top Layer w10: Q1.1 1441.4,660.4 R18.1
NetQ1_3: Q1.3 R21.2 | length 161.6
  Top Layer w15: Q1.3 1404,425.84 1406.34,423.5 R21.2
NetQ2_1: Q2.1 R17.1 R22.1 | length 566.6
  Top Layer w15: R17.1 453.5,572.5 514.5,633.5 514.5,817.25 569.75,872.5 R22.1 632.32,872.5 704.22,944.4 Q2.1
NetR3_2: R3.2 U2.99 | length 729.1
  Top Layer w10: R3.2 366.5,1424 v1(505.5,1563) ; v1(563,1864) 565.59,1861.41 689.56,1861.41 U2.99
  Bottom Layer w10: v1(505.5,1563) 505.5,1806.5 v1(563,1864)
NetR24_2: R24.2 U4.2 | length 157.4
  Top Layer w10: R24.2 860,662 896,698 U4.2
OSC_25M_IN: C7.2 U2.12 X2.1 | length 510
  Top Layer w10: C7.2 949.5,1406.1 X2.1 918,1437.6 918,1562.5 974.5,1619 974.5,1733.57 975.09,1734.16 975.09,1771.28 U2.12
OSC_25M_OUT: C4.2 U2.13 X2.2 | length 505.3
  Top Layer w10: U2.13 995.5,1620.5 1066,1550 1066,1429.6 X2.2 1058.5,1422.1 C4.2
RST: C20.2 R5.1 RST1.1 TFT_LCD1.29 U2.14 | length 4317.2
  Top Layer w10: R5.1 342.51,1173 C20.2 157.75,1152.25 144.5,1139 98,1139 78,1159 78,1881.5 RST1.1 109.42,1879.08 109.42,1846.12 136.59,1818.95 v1(434.54,1818.95) ; U2.14 1015.18,1661.31 v1(1083.5,1593)
  Bottom Layer w10: RST1.1 25.24,1963.26 25.24,3050.74 175,3200.5 330.5,3200.5 359.5,3171.5 359.5,3122 398.94,3082.56 398.94,3051.26 TFT_LCD1.29 ; v1(434.54,1818.95) 434.54,1576.96 495,1516.5 906.5,1516.5 983,1593 v1(1083.5,1593)
RTC_32768_IN: C3.2 U2.8 | length 812.1
  Top Layer w10: C3.2 494.5,1342.88 505.53,1353.91 572.91,1353.91 597.5,1378.5 597.5,1506 646.5,1555 817,1555 897.07,1635.07 U2.8
RTC_32768_OUT: C1.2 U2.9 X1.4 | length 810.9
  Top Layer w10: C1.2 722.06,1265.44 722.06,1353.91 650.09,1353.91 626.5,1377.5 626.5,1506.5 657.5,1537.5 827.5,1537.5 916.76,1626.76 U2.9
SD_Check: SD1.9 U2.77 | length 2817.9
  Top Layer w10: v1@474.28,2413.95 476.05,2413.95 596.24,2293.76 U2.77
  Bottom Layer w10: v1(472.34,2414.81) 420.81,2414.81 206,2200 206,1290.5 466.5,1030 1046,1030 1214.94,861.06 SD1.9
SD_CLK: R9.2 SD1.5 U2.80 | length 3604.5
  Top Layer w10: v1@473,2274 512.3,2234.7 U2.80 ; v1(1725.5,968) R9.2
  Top Layer w20: v1(1725.5,968) v1@1726.5,967
  Bottom Layer w10: v1(472.34,2274) 331,2274 229,2172 229,1312.5 472,1069.5 1624,1069.5 v1(1725.5,968) 1678,968 1397.83,687.83 SD1.5
SD_CMD: R12.2 SD1.3 U2.83 | length 4039.8
  Top Layer w10: v1(407.53,2211.95) 443.83,2175.65 U2.83 ; v1@1508,1167 1508,1245.2 R12.2 1516.55,1250.5 1628.55,1138.5 1753,1138.5 1819,1072.5 1819,637.5 v1(1781,599.5)
  Bottom Layer w10: v1(407.53,2211.95) 316.45,2211.95 255,2150.5 255,1325 413.22,1166.78 v1(1507.78,1166.78) ; SD1.3 1316.22,600.36 1780.14,600.36 v1(1781,599.5)
SD_D0: R8.2 SD1.7 U2.65 | length 3653.4
  Top Layer w10: v1(155.29,1855.17) 424.69,1855.17 v1(433.14,1863.62) ; v1(914.83,1964.46) 956.13,2005.76 U2.65 ; v1(1619.15,965.15) R8.2
  Bottom Layer w10: v1(155.29,1855.17) 155.29,1238.71 425,969 1008,969 1202.56,774.44 SD1.7 1395.94,774.44 1583.19,961.69 1615.69,961.69 v1(1619.15,965.15) ; v1(433.14,1863.62) 435.23,1863.62 536.06,1964.46 v1(914.83,1964.46)
SD_D1: R7.2 SD1.8 U2.66 | length 3434.5
  Top Layer w10: v1(180.63,1896.72) 424.78,1896.72 v1(432.21,1904.16) ; v1(915.26,2005) 915.26,2006.76 937.5,2029 937.5,2344.26 937.17,2344.59 937.17,2381.71 U2.66 ; v1(1512.8,965.8) R7.2
  Bottom Layer w10: v1(180.63,1896.72) 180.63,1272.87 456,997.5 1024,997.5 1203.75,817.75 SD1.8 1362.75,817.75 v1@1512.8,967.8 ; v1(432.21,1904.16) 434.89,1904.16 535.73,2005 v1(915.26,2005)
SD_D2: R14.2 SD1.1 U2.78 | length 4388.5
  Top Layer w10: v1(472.34,2367.88) 472.34,2367.16 565.43,2274.07 U2.78 ; v1(1724,1192.5) 1724,1248.5 R14.2 1729.25,1250.5 1740,1239.75 1740,1236.5 1862,1114.5 1862,521.5 1845,504.5 v1(1822,504.5)
  Bottom Layer w10: v1(472.34,2367.88) 473.99,2366.23 496.28,2366.23 537.29,2325.21 537.29,2243.29 451.16,2157.16 323.66,2157.16 296,2129.5 296,1355.5 406,1245.5 1671,1245.5 v1(1724,1192.5) ; SD1.1@1318.81,518.05 SD1.1 1321.63,508.33 1818.17,508.33 v1(1822,504.5)
SD_D3: R13.2 SD1.2 U2.79 | length 4202.9
  Top Layer w10: v1(472.34,2320.94) 472.34,2319.66 537.61,2254.39 U2.79 ; v1(1612,1198.5) 1612,1242.85 R13.2 1622.9,1250.5 1711.4,1162 1767.5,1162 1841.5,1088 1841.5,582.5 v1(1819,560)
  Bottom Layer w10: v1(472.34,2320.94) 495.06,2320.94 510.5,2305.5 510.5,2254.5 438.09,2182.09 316.59,2182.09 275.5,2141 275.5,1345.5 422.5,1198.5 v1(1612,1198.5) ; SD1.2 1316.41,558.95 1817.95,558.95 v1(1819,560)
SWD_CLK: SWD1.3 U2.76 | length 637.9
  Top Layer w10: v1(472.34,2461.75) 620.06,2314.02 689.7,2314.02 U2.76
  Bottom Layer w10: SWD1.3 469.59,2464.5 v1(472.34,2461.75)
SWD_DIO: SWD1.2 U2.72 | length 844.2
  Top Layer w10: v1(472.34,2569.5) 736,2569.5 818.33,2487.17 U2.72
  Bottom Layer w10: SWD1.2 117.5,2567 469.84,2567 v1(472.34,2569.5)
Touch_CLK: TFT_LCD1.2 U2.89 | length 3109.1
  Top Layer w10: v1(347.5,1956.5) 347.5,1996 409.04,2057.54 U2.89 ; v1(1739.52,2132.4) 1801.5,2194.38 1801.5,2669.5 1651.5,2819.5 1651.5,2953 1669.5,2971 1708.5,2971 1752.5,3015 1752.5,3090.49 1806.1,3144.09
  Bottom Layer w10: v1(347.5,1956.5) 347.5,2042 437.9,2132.4 v1(1739.52,2132.4)
Touch_EN: TFT_LCD1.1 U2.59 | length 1314.6
  Top Layer w10: v1(1066.87,2498.63) 1074.24,2491.26 U2.59
  Bottom Layer w10: v1(1066.87,2498.63) 1095.74,2527.5 1362.5,2527.5 1408.5,2573.5 1728.5,2573.5 1806.1,2651.1 TFT_LCD1.1
Touch_MISO: TFT_LCD1.5 U2.90 | length 2713.1
  Top Layer w10: v1(394,1959) 394.46,1959.46 394.46,1978.46 453.85,2037.85 U2.90 ; v1(1605.4,2097.64) 1605.4,2098.36 1753,2245.96 1753,2650.5 1602.5,2801 1602.5,3040.49 TFT_LCD1.5
  Bottom Layer w10: v1(394,1959) 394,2015 476.64,2097.64 v1(1605.4,2097.64)
Touch_MOSI: TFT_LCD1.6 U2.91 | length 2756.8
  Top Layer w10: v1(440,1958) 444.5,1958 504.67,2018.17 U2.91 ; 1606.1,3144.09 1655,3095.2 1655,3001 1627.5,2973.5 1627.5,2808 1776.5,2659 1776.5,2222.48 1615.15,2061.13 1615.15,2059.52 v1(1608.71,2053.07)
  Bottom Layer w10: v1(440,1958) 440,1991.5 501.57,2053.07 v1(1608.71,2053.07)
USART1_RX: J1.3 U2.68 | length 1843
  Top Layer w10: U2.68 897.07,2046.57 876.67,2026.17 876.67,1960.87 v1(915.59,1921.95)
  Bottom Layer w10: v1(915.59,1921.95) 1437.05,1921.95 1701.5,1657.5 1701.5,1517.5 1926,1293 J1.3
USART1_TX: J1.2 U2.69 | length 1940.9
  Top Layer w10: U2.69 877.39,2059.39 856.04,2038.04 856.04,1938.87 v1(916.33,1878.59)
  Bottom Layer w10: v1(916.33,1878.59) 918.91,1876 1426.5,1876 1653,1649.5 1653,1515.5 1853,1315.5 1853,1273 1931,1195 J1.2
USB_CC1: 1.A5 R2.1 | length 579.8
  Top Layer w10: R2.1 336.25,470.12 297.5,431.37 297.5,430 297,429.5 297,202.5 315,184.5 454.5,184.5 466.5,196.5 466.5,241 461.03,246.47 1.A5@461.03,305.02
USB_CC2: 1.B5 R1.1 | length 373.8
  Top Layer w10: 1.B5@579.14,305.02 579.14,373.14 610.5,404.5 770,404.5 815.5,450 R1.1
USB_VBUS: 1.A4-B9 1.B4-A9 D3.1 R15.1 R17.2 | length 753
  Top Layer w10: 1.A4-B9@415.75,305.02 422.5,298.27 422.5,238 v1(439,221.5) ; v1(580.5,221.5) 600,241 600,300.29 1.B4-A9@604.73,305.02
  Top Layer w20: 1.A4-B9@415.75,305.02 415.75,434.62 444.5,463.38 450.25,469.13 R17.2 454.69,470.31 576.81,470.31 D3.1 579.81,473.31 692.36,473.31 R15.1
  Bottom Layer w20: v1(439,221.5) v1(580.5,221.5)
V_BAT: BAT_+.Hole C23.1 S1.1 U4.5 | length 1266
  Top Layer w20: BAT_+.Hole 1241,105.5 ; v1(1170,538.5) 1170.27,538.77 1170.27,597.73 U4.5 ; C23.1 1352,296.5 1350.5,295 1350.5,215 1241,105.5 ; S1.1 1526.58,195.57 1526.58,163.08 1396.5,33 1313.5,33 1241,105.5
  Bottom Layer w20: BAT_+.Hole 1131,499.5 v1(1170,538.5)
V_OUT: C2.1 D3.2 D4.2 Q2.2 U1.1 U1.3 | length 957
  Top Layer w15: D3.2 576.5,583.24 576.5,685.5 C2.1 602,687 634.5,719.5 634.5,833 671.1,869.6 Q2.2 731.78,869.6 748.5,852.88 D4.2
  Top Layer w20: D4.2 955.88,854.76 1100.94,854.76 U1.1@1101.1,854.92 ; U1.1 U1.1@1101.1,854.92 ; U1.3 1175.9,812.4 1162,798.5 1115.5,798.5 1101.1,812.9 U1.1@1101.1,854.92
V_RTC: C21.2 D1.2 D2.2 U2.6 | length 1416.2
  Top Layer w10: v1@858.21,1635.37 U2.6@858.21,1771.5
  Top Layer w15: D1.2 566.75,1185.87 462.25,1185.87 D2.2 461.5,1187.07 453.25,1195.32 452.8,1195.32 411.12,1237 202.5,1237 C21.2 326,1407.5 326,1449.5 473,1596.5 v1(575,1596.5) ; v1@858.21,1635.37 v1(858.71,1634.86)
  Bottom Layer w15: v1(575,1596.5) 820.35,1596.5 v1(858.71,1634.86)
pads on no net: 1. 1.A8 1.B8 S1.0 TFT_LCD1.3 TFT_LCD1.4 TFT_LCD1.8 TFT_LCD1.14 U2.1 U2.2 U2.3 U2.4 U2.5 U2.7 U2.16 U2.17 U2.18 U2.23 U2.24 U2.25 U2.26 U2.29 U2.30 U2.31 U2.32 U2.33 U2.34 U2.35 U2.36 U2.47 U2.48 U2.51 U2.52 U2.53 U2.54 U2.63 U2.64 U2.67 U2.87 U2.95 U2.96 U2.97 U2.98 X1.1 X1.2 X1.3

## Polygon pours and split planes (outlines as drawn)
GND on Top Layer "GND_Layer" (solid, remove dead copper, pour order 2): 43.5,3232 1961.5,3232 cw(c1961.5,3189.5) 2004,3189.5 2004,44.5 cw(c1964.5,44.5) 1964.5,5 41,5 cw(c41,44.29) 1.71,44.29 1.71,3190.21 cw(c43.5,3190.21)
no net on Top Layer "NONET_L01_P001" (solid, remove dead copper, pour order 1): 1.71,44.29
GND on Bottom Layer "GND_L02_P003" (solid, remove dead copper, pour order 3): 43,3232.5 1959,3232.5 cw(c1959,3186.5) 2005,3186.5 2005,48.5 cw(c1961.5,48.5) 1961.5,5 44,5 cw(c44,44) 5,44 5,3194.5 cw(c43,3194.5)

## Silkscreen, mask and mechanical layers (free items; w line width, h text height)
Top Overlay:
  text "3V3" at 18,2696.5 h20 r270
  text "SWDIO" at 18,2614.81 h20 r270
  text "SWCLK" at 18,2500.44 h20 r270
  text "GND" at 18,2378.78 h20 r270
  text "GND" at 1865.69,1370.41 h20 r90
  text "RX" at 1865.69,1281.41 h20 r90
  text "TX" at 1865.69,1176.41 h20 r90
  text "3V3" at 1865.69,1058.41 h20 r90
  text "OFF" at 1272.87,29.37 h27.56
  text "ON" at 1642.37,24.87 h27.56
Mechanical 1:
  lines w10: 0,43.31 ccw(c43.5,43.51) 43.5,0 1964.57,0 ccw(c1964.37,43.5) 2007.87,43.5 ; 0.2,43.51 0.2,3190.94 cw(c43.71,3190.94) 43.5,3234.45 1850.98,3234.45 1962.4,3234.45 ; 1963.19,3233.66 cw(c1963.19,3190.16) 2006.69,3190.36 2006.69,44.68

## Text inside footprints (layer, text, board x,y; h text height)
SD1: Bottom Overlay "Cd" at 1366.36,873.6 h30 r180; Bottom Overlay "8" at 1388.36,820.6 h30 r90; Bottom Overlay "7" at 1389.36,776.6 h30 r90; Bottom Overlay "6" at 1389.36,734.6 h30 r90; Bottom Overlay "5" at 1389.36,692.6 h30 r90; Bottom Overlay "4" at 1390.36,650.6 h30 r90; Bottom Overlay "3" at 1390.36,603.6 h30 r90; Bottom Overlay "2" at 1390.36,561.6 h30 r90; Bottom Overlay "1" at 1391.36,518.6 h30 r90
TFT_LCD1: Top Overlay "2" at 1926.1,2964.09 h50 r180; Top Overlay "1" at 1926.1,3064.09 h50 r180; Top Overlay "33" at 146.1,3064.09 h50 r180; Top Overlay "34" at 146.1,2964.09 h50 r180